# Altium PCB MT-PowerDispatch V1.0.0.PcbDoc (part 3 of 4)
Units mm, origin at the board's own origin, x right, y up, seen from the top; angles counter-clockwise.
Board outline 253.09 x 135 mm, 2 copper layers (Top Layer, Bottom Layer); 539 components, 347 nets, 1633 pads, 620 vias.
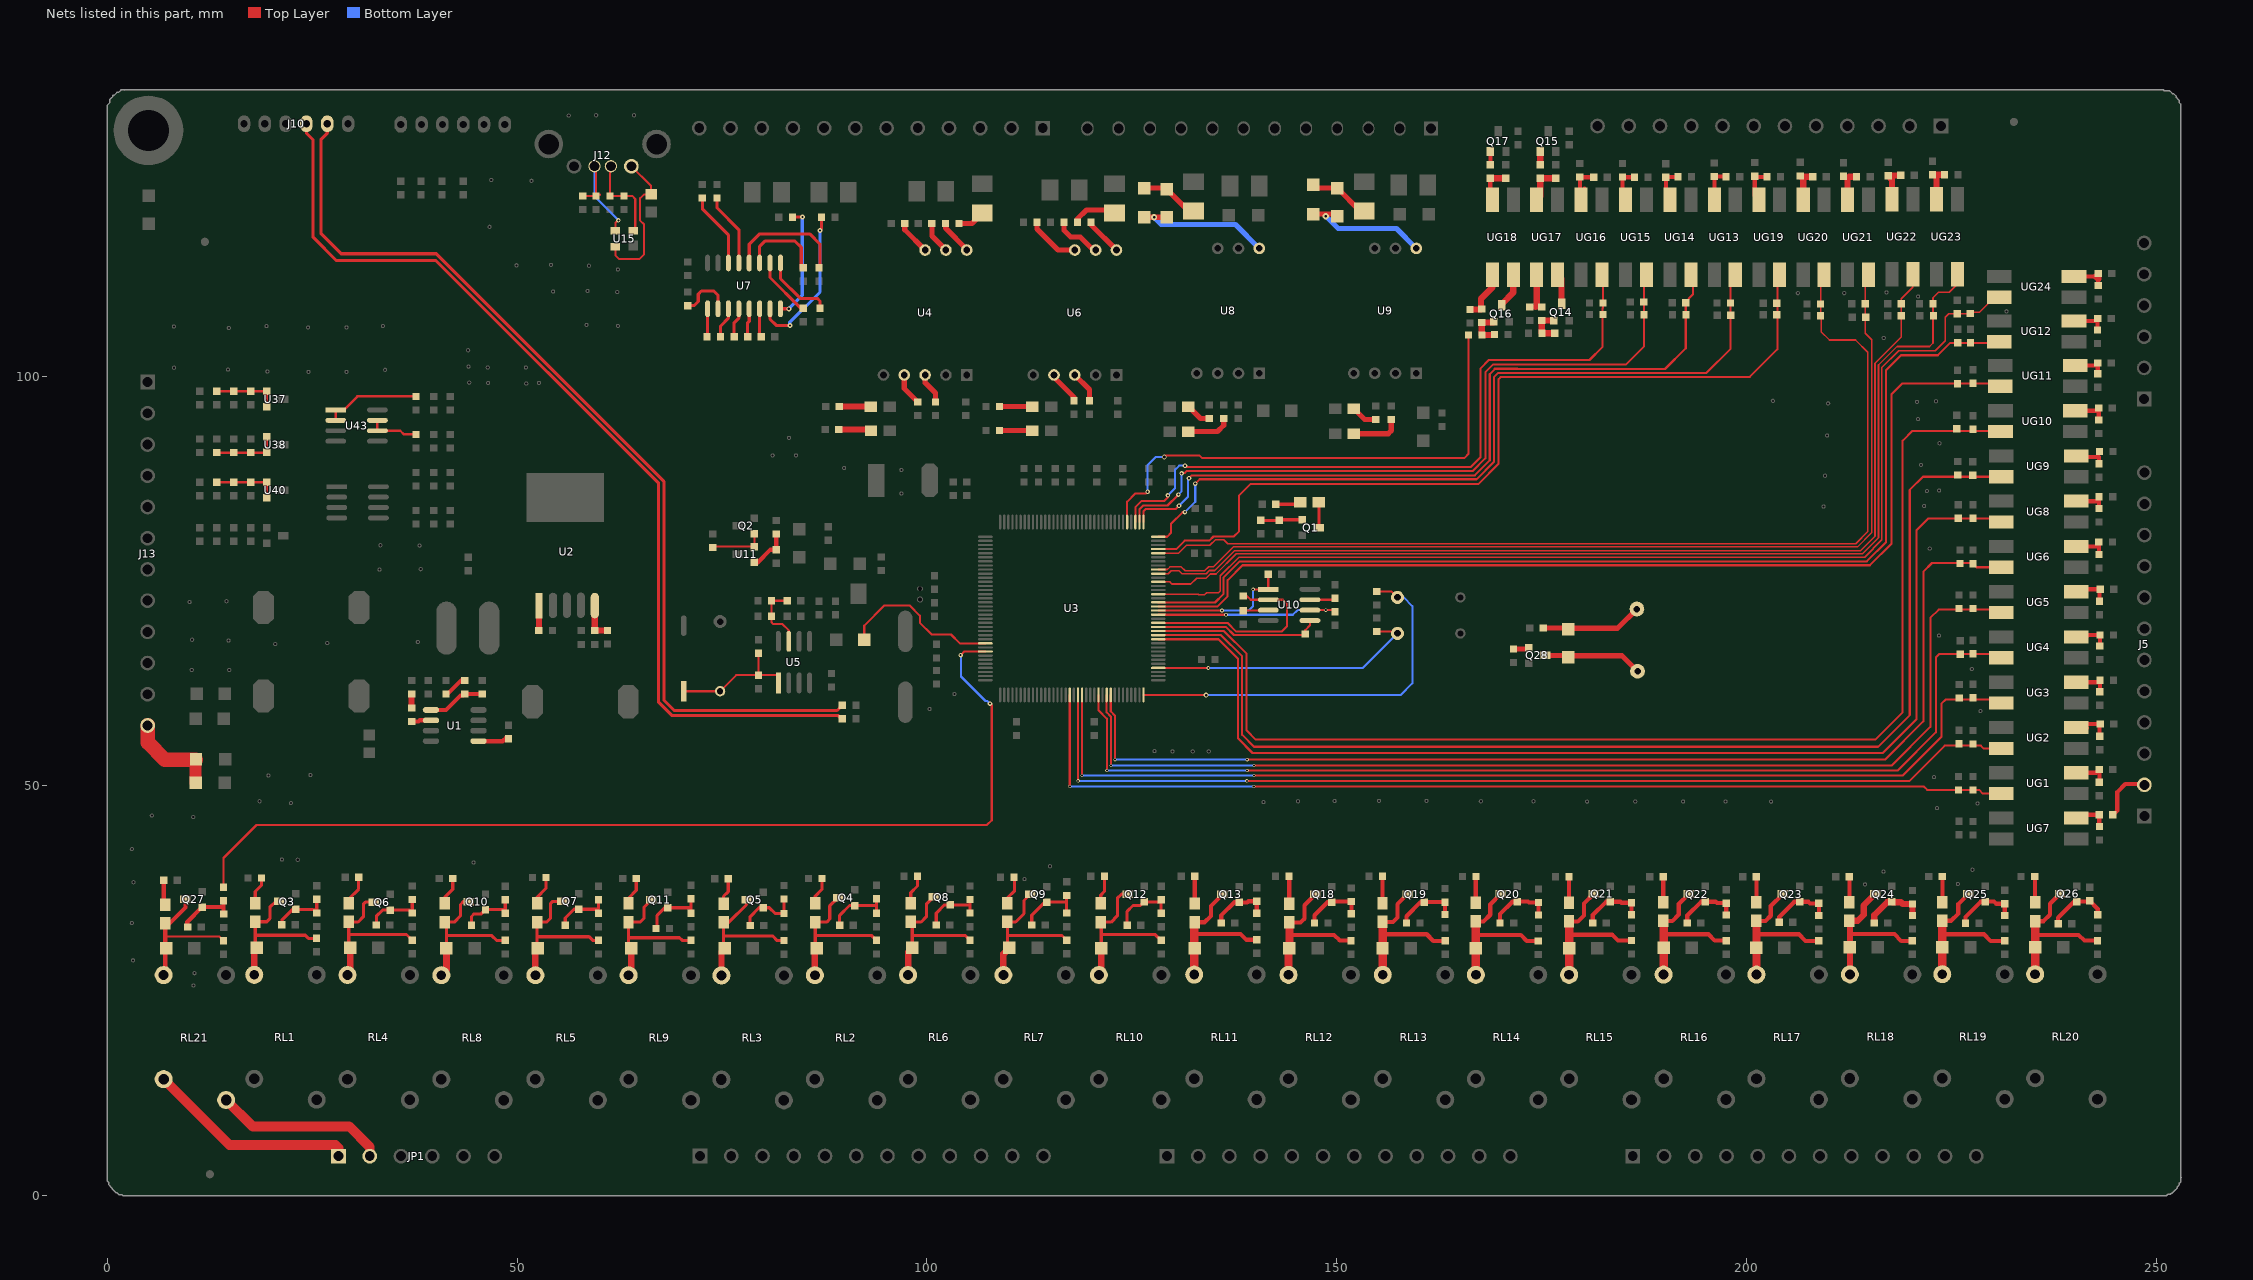
[diagram p3: the nets of this part, all layers, seen from the top]

## Via types
v1: diameter 0.762, hole 0.381, Top Layer to Bottom Layer, 340 vias
v2: diameter 0.762, hole 0.305, Top Layer to Bottom Layer, 95 vias
v3: diameter 0.508, hole 0.254, Top Layer to Bottom Layer, 48 vias
v4: diameter 0.559, hole 0.254, Top Layer to Bottom Layer, 41 vias
v5: diameter 0.406, hole 0.254, Top Layer to Bottom Layer, 24 vias
v6: diameter 0.813, hole 0.381, Top Layer to Bottom Layer, 23 vias
v7: diameter 1.27, hole 0.762, Top Layer to Bottom Layer, 9 vias
v8: diameter 0.457, hole 0.254, Top Layer to Bottom Layer, 9 vias
v9: diameter 0.508, hole 0.305, Top Layer to Bottom Layer, 6 vias
v10: diameter 0.61, hole 0.254, Top Layer to Bottom Layer, 5 vias
v11: diameter 1.016, hole 0.635, Top Layer to Bottom Layer, 3 vias
v12: diameter 0.914, hole 0.406, Top Layer to Bottom Layer, 3 vias
v13: diameter 1.067, hole 0.508, Top Layer to Bottom Layer, 2 vias
v14: diameter 0.61, hole 0.305, Top Layer to Bottom Layer, 2 vias
v15: diameter 1.27, hole 0.711, Top Layer to Bottom Layer, 2 vias
v16: diameter 1.016, hole 0.508, Top Layer to Bottom Layer, 1 vias
v17: diameter 0.559, hole 0.381, Top Layer to Bottom Layer, 1 vias
v18: diameter 0.864, hole 0.381, Top Layer to Bottom Layer, 1 vias
v19: diameter 1.321, hole 0.66, Top Layer to Bottom Layer, 1 vias
v20: diameter 1.397, hole 0.762, Top Layer to Bottom Layer, 1 vias
v21: diameter 1.143, hole 0.635, Top Layer to Bottom Layer, 1 vias
v22: diameter 1.2, hole 0.8, Top Layer to Bottom Layer, 1 vias
v23: diameter 0.92, hole 0.45, Top Layer to Bottom Layer, 1 vias

## Nets (pads, with @x,y where several pads share a name; then routed paths per layer and width w, separated by ;. In a path a pad name is that pad's centre, name@x,y a point inside that pad or via, vN(x,y) a via of type N, cw(c..) or ccw(c..) an arc to the next point about the centre after c; other vN are vias at no path point) (continued)
ERROR_2: R184.2 U3.113 | length 63
  Top Layer w0.254: U3.113@124.434,82.21 124.434,84.708 125.412,85.687 126.708,85.687 v4(126.924,85.903) ; v17(128.956,90.145) 129.159,90.348 133.248,90.348 133.553,90.043 165.608,90.043 166.078,90.513 R184.2@166.078,105.029
  Bottom Layer w0.254: v4@126.898,86.157 126.898,89.103 127.94,90.145 v17(128.956,90.145)
FAN+: JP1.1 RL21.3 | length 25.8
  Top Layer w1.2: RL21.3@6.858,14.224 14.884,6.198 27.813,6.198 28.2,5.811 JP1.1@28.2,4.826
FAN-: JP1.2 RL21.4 | length 21
  Top Layer w1.2: RL21.4@14.478,11.684 17.729,8.433 29.515,8.433 32.01,5.938 JP1.2@32.01,4.826
FAN-SWITCH: R222.1 U3.29 | length 124.3
  Top Layer w0.27: R222.1@14.148,37.63 14.148,41.199 18.186,45.237 107.315,45.237 107.899,45.822 107.899,59.842 v4(107.696,60.046) ; v4(104.115,65.964) 104.561,66.41 U3.29@107.134,66.41
  Bottom Layer w0.27: v4(104.115,65.964) 104.14,65.964 104.165,65.938 104.165,63.348 107.137,60.376 107.366,60.376 v4(107.696,60.046)
FGND: J13.12 L2.1 L3.1 | length 11.6
  Top Layer w1.5: L2.1@10.753,50.367 L3.1@10.753,53.212
  Top Layer w1.8: J13.12@4.902,57.379 4.902,55.321 7.011,53.212 L3.1@10.753,53.212
FRAM_CS: R52.2 U3.90 U10.1 | length 17.5
  Top Layer w0.254: U3.90@128.234,71.41 v8@135.997,71.41 ; v8(139.814,73.997) U10.1@141.661,73.997 ; U10.1@141.649,74.009 R52.2@141.649,75.851
  Bottom Layer w0.254: v8(135.997,71.399) 139.248,71.399 139.814,71.965 v8(139.814,73.997)
FRAM_MISO: R50.2 U3.87 U10.2 | length 24.9
  Top Layer w0.254: U3.87@128.234,69.91 136.674,69.91 137.75,68.834 143.262,68.834 143.947,69.52 143.947,72.219 143.439,72.727 U10.2@141.661,72.727 139.502,72.727 139.058,73.171 R50.2@138.613,73.171
FRAM_MOSI: R49.2 U3.86 U10.5 | length 20.3
  Top Layer w0.254: U3.86@128.234,69.41 136.488,69.41 137.47,68.428 146.043,68.428 R49.2@146.17,68.555 146.17,69.025 146.741,69.596 U10.5@146.741,70.187
FRAM_SCK: R48.2 U3.89 U10.6 | length 23.8
  Top Layer w0.254: U3.89@128.234,70.91 128.252,70.891 v8(136.505,70.891) ; U10.6@146.741,71.457 149.599,71.457 R48.2@149.789,71.266
  Bottom Layer w0.254: v8(136.505,70.891) 144.659,70.891 145.217,71.45 v8(148.672,71.45)
IN1: J5.2 R119.1 | length 6.8
  Top Layer w0.508: R119.1@244.716,46.482 245.262,47.028 245.262,49.276 246.228,50.241 248.463,50.241 J5.2@248.564,50.14
ISP: R15.1 SW2.2 U3.76 | length 33.6
  Top Layer w0.254: U3.76@128.234,64.41 v8(134.342,64.41) ; R15.1@154.889,68.847 157.193,68.847 SW2.2@157.424,68.616
  Bottom Layer w0.254: v8(134.342,64.41) 153.217,64.41 SW2.2@157.424,68.616
MODE1: R59.1 SW4.2 U3.72 | length 47.9
  Top Layer w0.254: U3.72@126.457,61.087 v14(134.067,61.087) ; R59.1@154.889,73.724 156.711,73.724 SW4.2@157.424,73.011
  Bottom Layer w0.254: v14(134.067,61.087) 157.788,61.087 159.236,62.535 159.236,71.955 158.18,73.011 SW4.2@157.424,73.011
NCT-IN1: C62.1 R66.2 U3.54 UG1.4 | length 125.2
  Top Layer w0.254: v5(117.43,49.936) U3.54@117.43,61.106 ; v5(139.883,49.936) 221.64,49.936 222.059,49.517 C62.1@227.66,49.517 228.409,49.517 228.853,49.073 UG1.4@231.085,49.073
  Bottom Layer w0.254: v5(117.43,49.936) v5(139.883,49.936)
NCT-IN2: C64.1 R67.2 U3.56 UG2.4 | length 125
  Top Layer w0.254: v5(118.446,50.622) U3.56@118.446,61.098 ; v5(139.045,50.622) 219.913,50.622 224.206,54.915 228.6,54.915 228.918,54.597 UG2.4@231.085,54.597
  Bottom Layer w0.254: v5(118.446,50.622) v5(139.045,50.622)
NCT-IN3: C81.1 R91.2 U3.57 UG3.4 | length 128.4
  Top Layer w0.254: v5(118.928,51.283) U3.57@118.928,61.105 ; v5(139.909,51.283) 219.1,51.283 223.799,55.982 223.799,60.02 224.333,60.554 230.652,60.554 UG3.4@231.085,60.121
  Bottom Layer w0.254: v5(118.928,51.283) v5(139.909,51.283)
NCT-IN4: C83.1 R92.2 U3.61 UG4.4 | length 130.2
  Top Layer w0.254: U3.61@120.934,61.11 120.934,59.234 121.964,58.204 121.964,51.905 v5(121.951,51.892) ; v5(139.071,51.892) 218.465,51.892 223.114,56.54 223.114,65.672 223.571,66.129 C83.1@227.66,66.129 230.6,66.129 UG4.4@231.085,65.644
  Bottom Layer w0.254: v5(121.951,51.892) v5(139.071,51.892)
NCT-IN5: C98.1 R113.2 U3.63 UG5.4 | length 133.3
  Top Layer w0.254: U3.63@121.934,61.11 121.934,58.996 122.459,58.471 v5(122.459,52.502) ; v5(139.909,52.502) 217.729,52.502 222.453,57.226 222.453,70.51 223.469,71.526 230.727,71.526 UG5.4@231.085,71.168
  Bottom Layer w0.254: v5(122.459,52.502) v5(139.909,52.502)
NCT-IN6: C103.1 R114.2 U3.64 UG6.4 | length 137.1
  Top Layer w0.254: U3.64@122.434,61.11 122.434,59.106 122.942,58.598 v5(122.942,53.213) ; v5(139.071,53.213) 216.916,53.213 221.59,57.887 221.59,76.149 222.656,77.216 227.578,77.216 C103.1@227.66,77.134 228.102,76.692 UG6.4@231.085,76.692
  Bottom Layer w0.254: v5(122.942,53.213) v5(139.071,53.213)
NCT-IN7: C92.1 R120.2 U3.83 UG8.4 | length 139.9
  Top Layer w0.254: U3.83@128.234,67.91 135.575,67.91 137.953,65.532 137.953,55.804 139.731,54.026 216.637,54.026 220.751,58.141 220.751,81.191 222.225,82.664 R120.2@225.837,82.664 C92.1@227.66,82.664 230.636,82.664 UG8.4@231.085,82.216
NCT-IN8: C96.1 R130.2 U3.84 UG9.4 | length 143.9
  Top Layer w0.254: U3.84@128.234,68.41 135.888,68.41 138.461,65.837 138.461,56.236 139.909,54.788 216.078,54.788 219.939,58.649 219.939,86.131 221.546,87.739 UG9.4@231.085,87.739
NCT-IN9: C72.1 R87.2 U3.85 UG10.4 | length 148.8
  Top Layer w0.254: U3.85@128.234,68.91 136.226,68.91 139.02,66.116 139.02,56.769 140.137,55.651 215.722,55.651 219.075,59.004 219.075,92.151 220.243,93.32 230.94,93.32 UG10.4@231.009,93.251
NCT-IN10: C100.1 R104.2 U3.91 UG11.4 | length 126
  Top Layer w0.254: U3.91@128.234,71.91 135.466,71.91 136.696,73.139 136.696,75.12 138.512,76.937 215.062,76.937 217.703,79.578 217.703,97.79 219.024,99.111 230.651,99.111 UG11.4@230.983,98.779
NCT-IN11: C102.1 R76.2 U3.92 UG12.4 | length 129.2
  Top Layer w0.254: U3.92@128.234,72.41 128.254,72.39 135.159,72.39 136.175,73.406 136.175,75.413 138.182,77.419 214.706,77.419 217.043,79.756 217.043,100.736 218.872,102.565 223.368,102.565 224.879,104.076 R76.2@225.781,104.076 C102.1@227.355,104.076 230.703,104.076 UG12.4@230.831,104.205
NCT-IN12: C87.1 R86.2 U3.108 UG13.4 | length 96.6
  Top Layer w0.254: U3.108@128.234,80.41 129.305,80.41 129.769,80.874 129.769,81.966 131.216,83.414 v4(131.47,83.414) ; v4(132.74,86.893) 133.274,87.427 167.081,87.427 169.189,89.535 169.189,99.898 169.697,100.406 195.135,100.406 198.082,103.353 R86.2@198.082,107.442 198.082,111.856 UG13.4@198.636,112.41
  Bottom Layer w0.254: v4(131.47,83.414) 132.74,84.684 v4(132.74,86.893)
NCT-IN13: C115.1 R148.2 U3.109 UG14.4 | length 92.7
  Top Layer w0.254: U3.109@126.434,82.21 126.434,83.533 126.695,83.795 130.353,83.795 v4(130.759,84.201) ; v4(131.978,87.554) 132.334,87.909 166.853,87.909 168.681,89.738 168.681,100.254 169.291,100.863 169.291,100.914 172.034,100.914 172.06,100.889 190.068,100.889 192.595,103.416 C115.1@192.595,108.966 ; C115.1@192.469,108.966 193.472,109.969 193.472,112.156 UG14.4@193.217,112.41
  Bottom Layer w0.254: v4(130.759,84.201) 131.851,85.293 131.851,87.427 v4(131.978,87.554)
NCT-IN14: C117.1 R150.2 U3.110 UG15.4 | length 87.7
  Top Layer w0.254: U3.110@125.934,82.21 125.934,83.77 126.39,84.226 129.362,84.226 130.632,85.496 130.632,85.547 v4(130.683,85.547) ; v4(131.089,88.138) 131.166,88.214 131.47,88.214 131.674,88.417 166.573,88.417 168.148,89.992 168.148,100.508 169.062,101.422 185.268,101.422 187.516,103.67 R150.2@187.516,107.518 187.516,112.127 UG15.4@187.799,112.41
  Bottom Layer w0.254: v4(130.683,85.547) 131.089,85.954 v4(131.089,88.138)
NCT-IN15: C119.1 R151.2 U3.111 UG16.4 | length 83.8
  Top Layer w0.254: U3.111@125.434,82.21 125.434,84.032 126.162,84.76 128.93,84.76 129.438,85.268 129.413,85.293 v4(129.413,85.471) ; v4(131.496,89.078) 131.648,88.925 166.345,88.925 167.564,90.145 167.564,100.965 168.58,101.981 180.848,101.981 182.423,103.556 182.423,108.293 182.512,108.382 C119.1@182.512,108.941 182.512,112.278 UG16.4@182.38,112.41
  Bottom Layer w0.254: v4(129.413,85.471) 130.277,86.335 130.277,88.595 130.772,89.09 131.483,89.09 v4(131.496,89.078)
NCT-IN16: C133.1 R189.2 U3.105 UG19.4 | length 103.5
  Top Layer w0.254: U3.105@128.234,78.91 130.421,78.91 131.445,79.934 134.468,79.934 134.974,80.44 137.438,80.44 138.1,81.102 138.1,85.471 139.471,86.843 167.259,86.843 169.774,89.357 169.774,99.644 170.053,99.924 200.419,99.924 203.772,103.276 203.772,112.127 UG19.4@204.055,112.41
NCT-IN17: C135.1 R191.2 U3.104 UG20.4 | length 123.8
  Top Layer w0.2: U3.104@128.234,78.41 130.709,78.41 131.674,79.375 134.518,79.375 135.204,80.061 136.22,80.061 136.703,79.578 213.335,79.578 214.811,81.055 214.811,102.921 213.312,104.419 210.134,104.419 209.144,105.41 209.144,107.302 R191.2@209.055,107.391 C135.1@209.055,108.814 209.055,111.991 UG20.4@209.474,112.41
NCT-IN18: C137.1 R193.2 U3.100 UG21.4 | length 121.3
  Top Layer w0.2: U3.100@128.234,76.41 129.344,76.41 129.667,76.733 131.039,76.733 131.51,76.262 133.87,76.262 134.379,76.772 134.963,76.772 137.363,79.172 213.563,79.172 215.316,80.924 215.316,104.445 214.516,105.245 C137.1@214.516,108.839 214.516,112.033 UG21.4@214.893,112.41
NCT-IN19: C152.1 R225.2 U3.97 UG23.4 | length 129.6
  Top Layer w0.2: U3.97@128.234,74.91 129.627,74.91 129.886,74.651 132.203,74.651 132.918,75.366 134.056,75.366 134.56,75.87 135.28,75.87 137.744,78.334 214.173,78.334 216.129,80.289 216.129,101.371 218.389,103.632 222.352,103.632 222.771,104.051 R225.2@222.771,107.366 ; R225.2@222.821,107.366 R225.2@222.771,107.366 ; UG23.4@225.748,112.461 225.748,111.244 224.739,110.236 223.444,110.236 222.771,109.563 C152.1@222.771,108.864 R225.2@222.771,107.366
NCT-IN20: C153.1 R227.2 U3.94 UG24.4 | length 132.8
  Top Layer w0.2: U3.94@128.234,73.41 128.26,73.384 133.093,73.384 133.147,73.33 133.883,73.33 134.137,73.584 135.585,73.584 135.796,73.794 135.796,75.641 138.082,77.927 214.427,77.927 216.535,80.035 216.535,101.067 218.592,103.124 223.063,103.124 224.257,104.318 224.257,107.213 224.676,107.632 R227.2@225.73,107.632 227.279,107.632 C153.1@227.305,107.658 227.445,107.799 228.449,107.799 230.284,109.634 UG24.4@230.831,109.634
NCT-IN21: C139.1 R195.2 U3.99 UG22.4 | length 123.5
  Top Layer w0.2: U3.99@128.234,75.91 129.453,75.91 129.819,76.276 130.749,76.276 131.115,75.91 134.085,75.91 134.468,76.293 135.119,76.293 137.541,78.715 213.919,78.715 215.697,80.493 215.697,101.575 218.91,104.788 R195.2@218.91,107.366 C139.1@218.91,108.864 218.91,109.461 220.312,110.863 UG22.4@220.312,112.461
NetC17_2: C17.2 U1.1 | length 3.6
  Top Layer w0.508: U1.1@45.243,55.455 48.228,55.455 C17.2@48.672,55.899
NetC21_1: C21.1 U1.6 | length 2.6
  Top Layer w0.254: C21.1@37.115,57.868 C21.1@37.242,57.995
  Top Layer w0.508: C21.1@37.115,57.868 37.122,57.861 37.953,57.861 38.106,58.014 U1.6@39.473,58.014
NetC21_2: C21.2 R7.1 | length 1.7
  Top Layer w0.762: C21.2@37.115,59.519 R7.1@37.115,61.233
NetC24_2: C24.2 R18.1 SW1.1 SW3.1 U5.1 | length 15.8
  Top Layer w0.254: SW3.1@70.313,61.56 74.75,61.56 SW1.1@74.758,61.568 76.717,63.528 C24.2@79.457,63.528 ; R18.1@79.457,66.195 C24.2@79.457,63.528 ; U5.1@81.87,62.575 81.87,63.278 81.62,63.528 C24.2@79.457,63.528
NetC27_2: C27.2 R20.2 R27.1 U5.7 | length 8.4
  Top Layer w0.254: R27.1@82.949,72.608 C27.2@81.044,72.608 R20.2@81.044,70.703 81.044,69.945 81.235,69.755 82.378,69.755 83.14,68.993 U5.7@83.14,67.655
NetC30_1: C30.1 R36.1 TVS5.1 | length 7.2
  Top Layer w0.635: R36.1@126.51,122.968 129.114,122.968 C30.1@129.241,122.841 131.91,120.172 TVS5.1@132.536,120.172
NetC30_2: C30.2 R36.2 U8.8 | length 17.2
  Top Layer w0.635: R36.2@126.51,119.412 v2(127.717,119.412) C30.2@129.241,119.412
  Bottom Layer w0.635: v2(127.717,119.412) 128.606,118.523 137.64,118.523 U8.8@140.561,115.602
NetC31_1: C31.1 U7.3 | length 3.8
  Top Layer w0.381: C31.1@74.821,104.807 74.821,106.14 75.774,107.093 U7.3@75.774,108.236
NetC31_2: C31.2 U7.1 | length 3.5
  Top Layer w0.381: C31.2@73.17,104.807 73.234,104.87 U7.1@73.234,108.236
NetC32_1: C32.1 U7.2 | length 6.8
  Top Layer w0.381: C32.1@70.821,108.617 71.583,108.617 72.091,109.125 72.091,110.014 72.472,110.395 73.996,110.395 74.504,109.887 U7.2@74.504,108.236
NetC36_1: C36.1 U7.5 | length 3.5
  Top Layer w0.381: C36.1@78.123,104.807 78.123,106.521 78.314,106.712 U7.5@78.314,108.236
NetC36_2: C36.2 U7.4 | length 3.7
  Top Layer w0.381: C36.2@76.472,104.807 76.472,106.521 77.044,107.093 U7.4@77.044,108.236
NetC37_2: C37.2 U7.6 | length 3.5
  Top Layer w0.381: U7.6@79.584,108.236 79.584,104.997 C37.2@79.774,104.807
NetC38_1: C38.1 R46.1 U9.8 | length 15.7
  Top Layer w0.635: R46.1@147.148,119.793 149.815,119.793 C38.1@150.069,119.539
  Bottom Layer w0.635: v2(148.672,119.539) 150.196,118.015 157.308,118.015 U9.8@159.721,115.602
NetC38_2: C38.2 R46.2 TVS10.1 | length 7.5
  Top Layer w0.635: R46.2@147.148,123.349 147.529,122.968 C38.2@150.069,122.968 152.867,120.17 TVS10.1@153.358,120.17
NetC49_2: C49.2 D12.1 LED2.2 Q3.2 RL1.1 | length 18.9
  Top Layer w0.381: D12.1@17.913,29.94 18.04,30.067 18.04,31.782 ; Q3.2@20.952,35.91 20.516,35.91 19.818,35.211 19.818,33.814 19.434,33.431 LED2.2@18.04,33.431 18.04,31.782 ; C49.2@25.507,31.407 24.51,31.407 24.136,31.782 18.04,31.782
  Top Layer w0.8: RL1.1@17.913,26.956 D12.1@17.913,29.94
NetC50_2: C50.2 D13.1 LED3.2 Q4.2 RL2.1 | length 19.2
  Top Layer w0.381: D13.1@86.323,30.165 86.366,30.207 86.366,31.731 ; Q4.2@89.16,36.379 88.144,35.363 88.144,33.763 87.76,33.38 LED3.2@86.366,33.38 86.366,31.731 ; C50.2@93.859,31.16 93.287,31.731 86.366,31.731
  Top Layer w0.8: RL2.1@86.323,26.905 D13.1@86.323,30.165
NetC51_1: C51.1 D14.1 LED4.2 Q5.2 RL3.1 | length 18.6
  Top Layer w0.381: D14.1@75.317,30.182 75.181,30.317 75.181,31.706 ; Q5.2@77.984,36.1 77.984,35.516 75.822,33.355 LED4.2@75.181,33.355 75.181,31.706 ; C51.1@82.556,31.134 81.73,31.134 81.159,31.706 75.181,31.706
  Top Layer w0.762: RL3.1@74.921,26.88 74.921,29.787 D14.1@75.317,30.182
NetC52_1: C52.1 D15.1 LED5.2 Q6.2 RL4.1 | length 19.7
  Top Layer w0.381: D15.1@29.635,30.233 29.444,30.423 29.444,31.757 ; Q6.2@32.492,35.821 31.476,35.821 31.222,35.567 31.222,34.043 30.585,33.405 LED5.2@29.444,33.405 29.444,31.757 ; C52.1@37.191,31.185 36.493,31.884 29.571,31.884 29.444,31.757
  Top Layer w0.8: RL4.1@29.289,26.931 29.635,27.276 D15.1@29.635,30.233
NetC53_1: C53.1 Q13.1 R68.2 R75.2 | length 7.4
  Top Layer w0.508: R75.2@135.908,33.274 135.908,34.176 137.545,35.812 Q13.1@138.086,35.812 138.135,35.763 139.096,35.763 139.261,35.928 R68.2@140.239,35.928 C53.1@140.239,34.48
NetC54_2: C54.2 Q18.1 R70.2 R74.2 | length 7.6
  Top Layer w0.508: R74.2@147.288,33.274 147.288,34.227 148.873,35.812 Q18.1@149.415,35.812 149.506,35.903 R70.2@151.771,35.903 ; C54.2@151.796,34.404 R70.2@151.796,35.877
NetC55_2: C55.2 Q19.1 R69.2 R134.2 | length 7.7
  Top Layer w0.508: R134.2@158.514,33.274 158.514,34.099 160.252,35.837 Q19.1@160.692,35.837 ; Q19.1@160.703,35.827 R69.2@163.226,35.827 C55.2@163.226,34.328
NetC58_2: C58.2 D29.1 LED19.2 Q24.2 RL18.1 | length 19.5
  Top Layer w0.508: 212.629,31.928 218.065,31.928 218.89,31.102 C58.2@220.249,31.102
  Top Layer w0.762: LED19.2@212.57,33.551 213.592,33.551 214.331,34.29 214.331,35.425 Q24.2@215.734,36.828 ; RL18.1@212.629,27.007 212.629,31.775 ; 212.629,31.928 LED19.2@212.629,33.492
NetC59_2: C59.2 D26.1 LED16.2 Q21.2 RL15.1 | length 19.7
  Top Layer w0.508: LED16.2@178.356,33.475 179.429,33.475 180.168,34.214 180.168,35.653 Q21.2@181.368,36.853 ; 178.364,31.852 183.622,31.852 184.321,31.153 C59.2@185.984,31.153
  Top Layer w1.016: RL15.1@178.364,26.956 178.364,31.852 LED16.2@178.364,33.466
NetC60_1: C60.1 D31.1 LED21.2 Q26.2 RL20.1 | length 19.6
  Top Layer w0.508: LED21.2@235.226,33.5 236.249,33.5 237.038,34.29 237.038,35.628 Q26.2@238.264,36.853 ; 235.235,31.826 240.544,31.826 241.242,31.128 C60.1@242.855,31.128
  Top Layer w1.016: RL20.1@235.235,27.032 235.235,31.826 LED21.2@235.235,33.492
NetC61_2: C61.2 R71.2 UG1.2 | length 4.5
  Top Layer w0.508: UG1.2@240.229,51.613 242.66,51.613 243.103,52.057 C61.2@243.103,50.609
NetC63_2: C63.2 R72.2 UG2.2 | length 6
  Top Layer w0.508: UG2.2@240.127,57.081 UG2.2@241.567,57.081 ; UG2.2@240.229,57.137 240.648,57.556 R72.2@243.192,57.556 ; C63.2@243.103,56.07 R72.2@243.103,57.468
NetC65_1: C65.1 Q3.1 R77.2 R83.2 | length 7.2
  Top Layer w0.381: R83.2@21.278,33.052 21.278,33.623 22.599,34.944 Q3.1@22.984,34.944 25.101,34.944 C65.1@25.533,34.512 R77.2@25.533,36.163
NetC66_2: C66.2 Q6.1 R80.2 R84.2 | length 7.6
  Top Layer w0.381: R84.2@32.81,33.027 32.81,34.106 33.559,34.855 Q6.1@34.524,34.855 36.823,34.855 C66.2@37.191,34.487 R80.2@37.191,36.138
NetC67_1: C67.1 Q4.1 R79.2 R85.2 | length 8
  Top Layer w0.381: R85.2@89.35,33.001 89.35,34.208 90.557,35.414 Q4.1@91.192,35.414 93.859,35.414 ; C67.1@93.859,34.462 93.859,35.414 ; R79.2@93.859,36.24 93.859,35.414
NetC68_2: C68.2 Q5.1 R78.2 R82.2 | length 7.7
  Top Layer w0.381: R82.2@78.428,32.976 78.428,34.055 79.508,35.135 Q5.1@80.016,35.135 80.778,35.135 81.476,34.436 C68.2@82.556,34.436 R78.2@82.556,36.214
NetC70_2: C70.2 Q22.1 R97.2 R146.2 | length 7.9
  Top Layer w0.508: R97.2@192.779,33.274 192.779,34.201 194.441,35.863 Q22.1@195.008,35.863 196.269,35.863 196.432,35.7 R146.2@197.541,35.7 C70.2@197.541,34.252
NetC71_1: C71.1 R128.2 UG10.2 | length 4.4
  Top Layer w0.508: UG10.2@240.153,95.791 242.666,95.791 R128.2@242.989,96.114 243.002,96.101 C71.1@243.002,94.653
NetC75_2: C75.2 Q20.1 R133.2 R136.2 | length 8
  Top Layer w0.508: R136.2@169.944,33.274 169.944,34.379 171.428,35.863 Q20.1@172.046,35.863 172.099,35.916 173.335,35.916 173.475,35.776 R133.2@174.631,35.776 C75.2@174.631,34.252
NetC76_1: C76.1 R103.2 UG11.2 | length 4.2
  Top Layer w0.508: UG11.2@240.127,101.319 242.581,101.319 R103.2@242.875,101.613 ; C76.1@242.875,100.292 R103.2@242.875,101.613 ; R103.2@242.887,101.625 R103.2@242.875,101.613
NetC77_1: C77.1 R129.2 UG8.2 | length 5.6
  Top Layer w0.508: UG8.2@239.772,84.666 UG8.2@241.567,84.666 ; UG8.2@240.229,84.756 242.972,84.756 243.027,84.811 C77.1@243.027,83.858
NetC79_2: C79.2 D17.1 LED6.2 Q7.2 RL5.1 | length 19.4
  Top Layer w0.381: D17.1@52.22,29.932 52.431,30.144 52.431,31.604 ; Q7.2@55.479,35.922 54.336,35.922 54.082,35.668 54.082,33.89 53.572,33.38 LED6.2@52.431,33.38 52.431,31.604 ; C79.2@59.924,31.16 59.226,31.16 58.781,31.604 52.431,31.604
  Top Layer w0.8: RL5.1@52.22,26.905 D17.1@52.22,29.932
NetC80_2: C80.2 R89.2 UG3.2 | length 5.8
  Top Layer w0.508: UG3.2@240.051,62.72 UG3.2@241.415,62.72 ; UG3.2@240.229,62.661 242.887,62.661 R89.2@243.141,62.916 C80.2@243.141,61.544
NetC82_2: C82.2 R90.2 UG4.2 | length 5.5
  Top Layer w0.508: UG4.2@240.026,68.156 UG4.2@241.516,68.156 ; UG4.2@240.513,68.232 240.708,68.428 R90.2@243.141,68.428 C82.2@243.141,67.132
NetC84_1: C84.1 D18.1 LED7.2 Q8.2 RL6.1 | length 19
  Top Layer w0.381: D18.1@98.215,30.233 98.215,31.757 ; Q8.2@100.818,36.456 99.929,35.567 99.929,34.043 99.292,33.405 LED7.2@98.024,33.405 98.215,33.215 98.215,31.757 ; C84.1@105.263,31.185 104.692,31.757 98.215,31.757
  Top Layer w0.8: RL6.1@97.7,26.931 97.7,29.718 D18.1@98.215,30.233
NetC85_1: C85.1 D19.1 LED8.2 Q9.2 RL7.1 | length 19.5
  Top Layer w0.381: D19.1@110.064,30.233 109.81,30.487 109.81,31.757 ; Q9.2@112.604,36.786 111.842,36.024 111.842,34.424 110.824,33.405 LED8.2@109.81,33.405 109.81,31.757 ; C85.1@117.049,31.185 116.477,31.757 109.81,31.757
  Top Layer w0.8: RL7.1@109.33,26.931 109.33,29.499 D19.1@110.064,30.233
NetC86_1: C86.1 D20.1 LED9.2 Q10.2 RL8.1 | length 19
  Top Layer w0.381: D20.1@41.37,30.207 41.37,31.731 ; Q10.2@44.1,35.871 43.414,35.871 43.084,35.541 43.084,34.144 42.32,33.38 LED9.2@41.179,33.38 41.37,33.189 41.37,31.731 ; C86.1@48.545,31.16 47.466,31.16 46.894,31.731 41.37,31.731
  Top Layer w0.8: RL8.1@40.742,26.905 41.37,27.533 D20.1@41.37,30.207
NetC88_1: C88.1 Q7.1 R98.2 R107.2 | length 6.5
  Top Layer w0.381: R107.2@55.86,33.001 55.86,33.89 56.927,34.957 Q7.1@57.511,34.957 59.848,34.957 59.924,35.033 R98.2@59.924,36.113
NetC89_2: C89.2 Q9.1 R100.2 R108.2 | length 8.3
  Top Layer w0.381: R108.2@112.794,33.027 112.794,34.233 114.382,35.821 Q9.1@114.636,35.821 117.049,35.821 ; C89.2@117.049,34.487 117.049,35.821 ; R100.2@117.049,36.646 117.049,35.821
NetC90_2: C90.2 Q8.1 R99.2 R106.2 | length 7.7
  Top Layer w0.381: R106.2@101.136,33.027 101.136,34.487 102.139,35.49 Q8.1@102.85,35.49 105.212,35.49 105.263,35.44 ; C90.2@105.263,34.487 105.263,35.44 ; R99.2@105.263,36.138 105.263,35.44
NetC91_2: C91.2 Q10.1 R102.2 R111.2 | length 6.8
  Top Layer w0.381: R111.2@44.418,33.001 44.418,34.081 44.735,34.398 45.624,34.398 Q10.1@46.132,34.906 48.545,34.906 R102.2@48.545,36.113
NetC93_2: C93.2 D23.1 LED12.2 Q13.2 RL11.1 | length 19.7
  Top Layer w0.508: 132.619,31.953 138.283,31.953 139.007,31.229 C93.2@140.239,31.229 ; LED12.2@132.687,33.373 133.887,33.373 134.651,34.138 134.651,35.374 Q13.2@136.054,36.777
  Top Layer w1.016: RL11.1@132.619,26.981 132.619,31.953 LED12.2@132.619,33.306
NetC94_1: C94.1 R127.2 UG9.2 | length 5.3
  Top Layer w0.508: UG9.2@239.772,90.279 UG9.2@241.415,90.279 ; UG9.2@240.229,90.279 240.363,90.145 243.027,90.145 C94.1@243.027,89.319
NetC95_1: C95.1 D16.1 LED13.2 Q18.2 RL12.1 | length 19.5
  Top Layer w0.508: LED13.2@144.218,33.348 145.596,33.348 146.056,33.807 146.056,35.45 Q18.2@147.383,36.777 ; 144.29,31.826 149.688,31.826 150.386,31.128 C95.1@151.745,31.128
  Top Layer w1.016: RL12.1@144.125,26.956 D16.1@144.125,30.086 ; D16.1@144.24,30.201 LED13.2@144.24,33.327
NetC97_1: C97.1 R117.2 UG5.2 | length 4.6
  Top Layer w0.508: UG5.2@240.229,73.708 240.536,74.016 R117.2@243.167,74.016 243.078,73.927 C97.1@243.078,72.555
NetC99_1: C99.1 R118.2 UG6.2 | length 5.5
  Top Layer w0.508: UG6.2@239.848,79.281 UG6.2@241.593,79.281 ; UG6.2@240.229,79.232 242.96,79.232 243.027,79.299 C99.1@243.027,78.397
NetC101_1: C101.1 R105.2 UG12.2 | length 3.8
  Top Layer w0.508: UG12.2@239.975,106.745 242.645,106.745 242.862,106.528 C101.1@242.862,105.664
NetC104_1: C104.1 R119.2 UG7.2 | length 4.4
  Top Layer w0.508: UG7.2@240.229,46.09 240.621,46.482 R119.2@243.065,46.482 243.065,45.06 C104.1@243.078,45.047
NetC106_1: C106.1 D21.1 LED10.2 Q11.2 RL9.1 | length 19.2
  Top Layer w0.381: D21.1@63.899,30.207 63.582,30.525 63.582,31.35 ; Q11.2@66.367,36.113 65.487,35.233 65.487,33.89 64.979,33.382 LED10.2@63.582,33.382 63.582,31.35 ; C106.1@71.202,31.16 70.122,31.16 69.805,31.477 63.709,31.477 63.582,31.35
  Top Layer w0.8: RL9.1@63.596,26.905 63.899,27.209 D21.1@63.899,30.207
NetC107_1: C107.1 D22.1 LED11.2 Q12.2 RL10.1 | length 20.2
  Top Layer w0.381: D22.1@121.278,30.207 121.278,31.858 ; Q12.2@124.516,36.811 123.754,36.811 123.246,36.303 123.246,34.144 122.482,33.38 LED11.2@121.214,33.38 121.278,33.316 121.278,31.858 ; C107.1@128.58,31.16 127.882,31.858 121.278,31.858
  Top Layer w0.762: RL10.1@120.96,26.905 121.278,27.223 D22.1@121.278,30.207
NetC108_2: C108.2 Q11.1 R123.2 R125.2 | length 7.5
  Top Layer w0.381: R125.2@67.074,33.001 67.074,34.208 68.014,35.148 Q11.1@68.399,35.148 71.189,35.148 71.202,35.16 ; C108.2@71.202,34.462 71.202,35.16 ; R123.2@71.202,36.24 71.202,35.16
NetC109_2: C109.2 Q12.1 R124.2 R126.2 | length 8.1
  Top Layer w0.381: R126.2@124.43,33.001 124.43,34.693 125.151,35.414 126.04,35.414 126.472,35.846 Q12.1@126.548,35.846 128.314,35.846 R124.2@128.58,36.113 C109.2@128.58,34.462
NetC110_1: C110.1 R176.2 UG17.1 | length 4
  Top Layer w0.762: 174.269,108.445 174.41,108.585 UG17.1@174.41,112.41
NetC110_2: C110.2 Q14.1 R177.1 R178.2 | length 4.6
  Top Layer w0.762: Q14.1@176.483,106.801 176.476,106.794 C110.2@175.037,106.794 175.037,105.27 R177.1@175.05,105.258 R178.2@176.625,105.258
NetC111_1: C111.1 R182.2 UG18.1 | length 6.2
  Top Layer w0.762: R182.2@166.268,108.14 167.615,108.14 167.615,109.449 169.019,110.853 UG18.1@169.019,112.405
NetC111_2: C111.2 Q16.1 R184.1 R185.2 | length 4.5
  Top Layer w0.762: Q16.1@169.162,106.623 169.105,106.566 C111.2@167.691,106.566 167.691,105.067 R184.1@167.729,105.029 R185.2@169.177,105.029
NetC114_1: C114.1 R152.2 UG14.2 | length 4.5
  Top Layer w0.508: UG14.2@190.677,121.554 190.17,122.062 R152.2@190.17,124.295 190.208,124.333 C114.1@191.661,124.333
NetC116_1: C116.1 R153.2 UG15.2 | length 4.4
  Top Layer w0.508: UG15.2@185.259,121.554 184.887,121.926 R153.2@184.887,124.32 184.925,124.282 C116.1@186.347,124.282
NetC118_1: C118.1 R154.2 UG16.2 | length 5.9
  Top Layer w0.508: UG16.2@179.84,121.554 179.68,121.714 R154.2@179.68,124.32 179.718,124.282 C118.1@181.369,124.282 ; UG16.2@180.243,121.554 UG16.2@180.243,122.886
NetC121_1: C121.1 R142.2 UG13.2 | length 4.3
  Top Layer w0.508: UG13.2@196.096,121.554 196.088,121.563 R142.2@196.088,124.371 196.101,124.358 C121.1@197.523,124.358
NetC122_1: C122.1 Q24.1 R156.2 R157.2 | length 7.8
  Top Layer w0.762: R157.2@215.614,33.274 215.614,34.252 217.224,35.863 Q24.1@217.766,35.863 217.815,35.814 218.877,35.814 219.093,35.598 R156.2@220.274,35.598 C122.1@220.274,34.201
NetC123_2: C123.2 Q23.1 R73.2 R149.2 | length 7.8
  Top Layer w0.508: R73.2@204.006,33.376 204.006,34.023 205.845,35.863 Q23.1@206.489,35.863 207.572,35.863 207.761,35.674 R149.2@208.844,35.674 C123.2@208.844,34.201
NetC124_1: C124.1 D28.1 LED18.2 Q23.2 RL17.1 | length 19.8
  Top Layer w0.508: LED18.2@201.216,33.526 202.34,33.526 202.977,34.163 202.977,35.348 Q23.2@204.457,36.828 ; 201.224,31.902 206.406,31.902 207.206,31.102 C124.1@208.844,31.102
  Top Layer w1.016: RL17.1@201.224,26.981 201.224,31.902 LED18.2@201.224,33.517
NetC125_1: C125.1 D27.1 LED17.2 Q22.2 RL16.1 | length 19.7
  Top Layer w0.508: LED17.2@189.862,33.526 190.961,33.526 191.75,34.315 191.75,35.602 Q22.2@192.976,36.828 ; 189.896,31.902 195.357,31.902 196.132,31.128 C125.1@197.541,31.128
  Top Layer w1.016: RL16.1@189.896,26.981 189.896,31.902 LED17.2@189.896,33.492
NetC126_1: C126.1 Q21.1 R144.2 R145.2 | length 7.9
  Top Layer w0.508: R145.2@181.247,33.274 181.247,34.252 182.86,35.865 184.638,35.865 184.753,35.75 R144.2@185.984,35.75 C126.1@185.984,34.277
NetC127_1: C127.1 D25.1 LED15.2 Q20.2 RL14.1 | length 19.6
  Top Layer w0.508: LED15.2@166.977,33.475 167.923,33.475 168.738,34.29 168.738,35.552 Q20.2@170.014,36.828 ; 166.985,31.801 172.472,31.801 173.196,31.077 C127.1@174.605,31.077
  Top Layer w1.016: RL14.1@166.985,26.956 166.985,31.801 LED15.2@166.985,33.466
NetC128_1: C128.1 D24.1 LED14.2 Q19.2 RL13.1 | length 19.7
  Top Layer w0.508: LED14.2@155.631,33.39 156.865,33.39 157.435,33.96 157.435,35.577 Q19.2@158.66,36.803 ; 155.733,31.902 160.991,31.902 161.791,31.102 C128.1@163.251,31.102
  Top Layer w1.016: RL13.1@155.631,26.956 LED14.2@155.631,33.39
NetC129_2: C129.2 Q26.1 R162.2 R163.2 | length 7.6
  Top Layer w0.508: R163.2@238.042,33.198 238.042,33.922 240.008,35.888 Q26.1@240.296,35.888 241.768,35.888 R162.2@241.884,36.005 242.88,35.008 C129.2@242.88,34.277
NetC130_2: C130.2 Q25.1 R159.2 R160.2 | length 7.9
  Top Layer w0.508: R160.2@226.739,33.249 226.739,34.023 228.578,35.863 Q25.1@229.12,35.863 229.147,35.89 230.231,35.89 230.498,35.623 R159.2@231.527,35.623 C130.2@231.527,34.201
NetC131_1: C131.1 D30.1 LED20.2 Q25.2 RL19.1 | length 19.6
  Top Layer w0.508: LED20.2@223.923,33.551 224.971,33.551 225.862,34.442 225.862,35.602 Q25.2@227.088,36.828 ; 223.983,31.902 229.012,31.902 229.812,31.102 C131.1@231.527,31.102
  Top Layer w1.016: RL19.1@223.907,27.032 LED20.2@223.907,33.534
NetC132_1: C132.1 R188.2 UG19.2 | length 4.6
  Top Layer w0.5: UG19.2@201.515,121.554 201.016,122.054 R188.2@201.016,124.422 201.105,124.333 C132.1@202.501,124.333
NetC134_1: C134.1 R190.2 UG20.2 | length 4.3
  Top Layer w0.762: UG20.2@206.934,121.554 206.934,124.091 206.667,124.358 C134.1@208.089,124.358
NetC136_1: C136.1 R192.2 UG21.2 | length 3.8
  Top Layer w0.762: UG21.2@212.353,121.554 212.353,124.164 212.547,124.358 C136.1@213.449,124.358
NetC138_1: C138.1 R194.2 UG22.2 | length 4.6
  Top Layer w0.762: UG22.2@217.772,121.605 217.772,123.998 R194.2@217.297,124.473 217.335,124.511 C138.1@218.834,124.511
NetC148_1: C148.1 D32.1 LED23.2 Q27.2 RL21.1 | length 18
  Top Layer w0.27: 7.053,31.699 7.129,31.623 13.627,31.623 C148.1@14.148,31.102
  Top Layer w0.508: RL21.1@6.858,26.924 7.053,27.119 7.053,31.699 LED23.2@7.053,33.221 7.567,33.221 9.516,35.17 Q27.2@9.516,36.182
NetC149_2: C149.2 Q27.1 R222.2 R223.2 | length 7.5
  Top Layer w0.508: R223.2@9.741,32.664 9.741,33.41 Q27.1@11.548,35.217 14.11,35.217 14.148,35.179 ; C149.2@14.148,34.43 14.148,35.179 ; R222.2@14.148,35.979 14.148,35.179
NetC150_1: C150.1 R224.2 UG23.2 | length 3.9
  Top Layer w0.762: UG23.2@223.208,121.605 223.208,124.516 223.266,124.574 224.155,124.574 C150.1@224.168,124.587
NetC151_1: C151.1 R226.2 UG24.2 | length 4.6
  Top Layer w0.5: UG24.2@239.975,112.174 R226.2@242.639,112.174 ; C151.1@242.926,111.087 242.926,111.887 242.938,111.874
  Top Layer w0.762: R226.2@242.639,112.174 242.926,111.887 ; 242.938,111.874 R226.2@242.938,112.547
NetD3_1: D3.1 R8.1 | length 3.9
  Top Layer w0.762: R8.1@89.299,96.298 D3.1@93.173,96.298
NetD4_1: D4.1 R9.1 | length 4
  Top Layer w0.762: R9.1@89.236,93.504 93.039,93.504 D4.1@93.175,93.368
NetD5_1: D5.1 R22.1 | length 4
  Top Layer w0.635: R22.1@108.857,96.298 D5.1@112.858,96.298
NetD6_1: D6.1 R23.1 | length 4
  Top Layer w0.635: R23.1@108.857,93.377 112.851,93.377 D6.1@112.86,93.368
NetD7_2: D7.2 R41.1 | length 3.1
  Top Layer w0.635: D7.2@131.908,96.298 133.368,94.837 R41.1@134.448,94.837
NetD8_2: D8.2 R38.1 | length 5.5
  Top Layer w0.635: D8.2@131.908,93.25 135.464,93.25 136.226,94.012 R38.1@136.226,94.837
NetD9_2: D9.2 U3.27 | length 19.9
  Top Layer w0.254: D9.2@92.347,67.85 92.347,69.564 94.824,72.041 97.872,72.041 99.142,70.771 99.142,69.926 100.582,68.485 102.942,68.485 104.017,67.41 U3.27@107.134,67.41
NetD10_2: D10.2 R56.1 | length 3.2
  Top Layer w0.635: D10.2@152.101,96.044 153.434,94.71 R56.1@154.768,94.71
NetD11_2: D11.2 R51.1 | length 6.1
  Top Layer w0.635: D11.2@152.103,92.987 156.283,92.987 156.673,93.377 R51.1@156.673,94.71
NetD33_1: D33.1 Q28.2 U12.2 | length 12
  Top Layer w0.635: Q28.2@175.472,65.926 178.054,65.926 178.092,65.888 184.824,65.888 U12.2@186.719,63.993
NetD33_2: D33.2 R220.1 U12.1 | length 12.4
  Top Layer w0.635: R220.1@175.196,69.291 178.118,69.291 178.168,69.24 184.287,69.24 U12.1@186.639,71.593
NetF1_2: F1.2 J12.1 U15.4 | length 18
  Top Layer w0.254: U15.4@61.976,115.824 61.976,114.783 62.459,114.3 64.872,114.3 65.481,114.91 65.481,118.516 64.999,118.999 64.999,121.717 65.481,122.199 F1.2@66.345,122.199 66.345,123.215 J12.1@63.932,125.628
NetJ10_4: J10.4 R140.1 | length 118.3
  Top Layer w0.381: J10.4@24.282,130.505 24.282,129.642 25.095,128.829 25.095,116.967 27.95,114.112 40.097,114.112 67.265,86.944 67.265,60.221 68.907,58.579 89.172,58.579 R140.1@89.553,58.198
NetJ10_5: J10.5 R141.1 | length 117.3
  Top Layer w0.381: J10.5@26.822,130.81 26.822,129.667 26.073,128.918 26.073,117.386 28.509,114.951 40.122,114.951 67.9,87.173 67.9,60.484 69.17,59.214 89.045,59.214 R141.1@89.68,59.849
NetJ12_2: J12.2 R216.1 R218.2 U15.2 | length 10.9
  Top Layer w0.254: J12.2@61.432,125.628 61.316,125.512 R216.1@61.316,122.009 R218.2@63.043,122.009 64.02,122.009 64.402,121.628 64.402,117.97 U15.2@64.16,117.729
NetJ12_3: J12.3 R217.1 R219.2 U15.3 | length 14.6
  Top Layer w0.254: R219.2@58.014,122.009 R217.1@59.614,122.009 59.614,125.446 J12.3@59.432,125.628 ; 60.109,122.139 60.122,122.152 ; U15.3@61.976,117.729 61.976,118.694 62.306,119.024 v4(62.357,119.024)
  Bottom Layer w0.254: J12.3@59.432,125.628 59.432,121.95 v4(62.357,119.024)
NetLED1_1: LED1.1 R16.1 | length 3.1
  Top Layer w0.381: R16.1@142.563,84.385 145.294,84.385 LED1.1@145.548,84.639
NetLED1_2: LED1.2 Q1.2 | length 3.1
  Top Layer w0.381: LED1.2@147.834,84.639 147.842,84.63 Q1.2@147.842,81.528
NetLED2_1: LED2.1 R60.1 | length 3.5
  Top Layer w0.381: LED2.1@17.976,35.78 LED2.1@18.04,35.717 18.04,37.116 18.802,37.878 R60.1@18.802,38.767
NetLED3_1: LED3.1 R61.1 | length 3.4
  Top Layer w0.381: LED3.1@86.366,35.666 86.366,36.557 87.191,37.383 R61.1@87.191,38.716
NetLED4_1: LED4.1 R63.1 | length 3.3
  Top Layer w0.381: LED4.1@75.181,35.641 75.181,36.523 75.761,37.103 R63.1@75.761,38.691
NetLED5_1: LED5.1 R62.1 | length 3.7
  Top Layer w0.381: LED5.1@29.444,35.691 29.444,36.202 30.651,37.408 R62.1@30.651,38.869
NetLED6_1: LED6.1 R93.1 | length 3.6
  Top Layer w0.381: LED6.1@52.431,35.666 52.431,36.43 53.511,37.51 R93.1@53.511,38.843
NetLED7_1: LED7.1 R94.1 | length 3.6
  Top Layer w0.381: LED7.1@98.024,35.691 98.024,36.964 98.85,37.789 R94.1@98.85,38.996
NetLED8_1: LED8.1 R95.1 | length 3.6
  Top Layer w0.381: LED8.1@109.81,35.691 109.81,36.329 110.699,37.218 110.699,38.805 R95.1@110.635,38.869
NetLED9_1: LED9.1 R96.1 | length 3.4
  Top Layer w0.381: LED9.1@41.179,35.666 41.179,36.43 42.132,37.383 R96.1@42.132,38.716
NetLED10_1: LED10.1 R121.1 | length 3.4
  Top Layer w0.381: LED10.1@63.582,35.668 63.582,36.303 64.534,37.256 R121.1@64.534,38.716
NetLED11_1: LED11.1 R122.1 | length 3.5
  Top Layer w0.381: LED11.1@121.214,35.666 121.214,36.684 121.659,37.129 R122.1@121.659,38.97
NetLED12_1: LED12.1 R131.1 | length 3.3
  Top Layer w0.508: LED12.1@132.687,35.659 R131.1@132.687,38.985
NetLED13_1: LED13.1 R132.1 | length 3.3
  Top Layer w0.508: LED13.1@144.218,35.634 R132.1@144.218,38.96
NetLED14_1: LED14.1 R64.1 | length 3.3
  Top Layer w0.508: LED14.1@155.597,35.71 R64.1@155.597,38.985
NetLED15_1: LED15.1 R135.1 | length 3.2
  Top Layer w0.508: LED15.1@166.977,35.761 R135.1@166.977,38.942
NetLED16_1: LED16.1 R143.1 | length 3.2
  Top Layer w0.508: LED16.1@178.356,35.761 R143.1@178.356,38.934
NetLED17_1: LED17.1 R81.1 | length 3.1
  Top Layer w0.508: LED17.1@189.862,35.812 R81.1@189.862,38.934
NetLED18_1: LED18.1 R147.1 | length 3.1
  Top Layer w0.508: LED18.1@201.216,35.812 R147.1@201.216,38.934
NetLED19_1: LED19.1 R155.1 | length 3.1
  Top Layer w0.508: LED19.1@212.57,35.837 R155.1@212.57,38.934
NetLED20_1: LED20.1 R158.1 | length 3.1
  Top Layer w0.508: LED20.1@223.923,35.837 R158.1@223.923,38.934
NetLED21_1: LED21.1 R161.1 | length 3.2
  Top Layer w0.508: LED21.1@235.226,35.786 R161.1@235.226,38.909
  Top Layer w0.762: R161.1@235.172,38.964 R161.1@235.226,38.909
NetLED23_1: LED23.1 R221.1 | length 3.1
  Top Layer w0.508: R221.1@6.871,38.506 6.871,35.689 LED23.1@7.053,35.507
NetQ1_1: Q1.1 R29.2 R33.2 | length 5.1
  Top Layer w0.381: R29.2@140.722,82.417 R33.2@143.008,82.417 143.084,82.493 Q1.1@145.81,82.493
NetQ2_1: Q2.1 R55.1 U11.3 | length 6.7
  Top Layer w0.254: R55.1@73.869,79.089 73.983,79.204 U11.3@78.949,79.204 Q2.1@78.949,80.791
NetQ14_2: Q14.2 UG17.2 | length 3.8
  Top Layer w0.762: UG17.2@176.95,112.41 177.448,111.912 Q14.2@177.448,108.833
NetQ15_1: Q15.1 R183.2 | length 1.6
  Top Layer w0.762: R183.2@174.834,125.819 Q15.1@174.834,127.406
NetQ16_2: Q16.2 UG18.2 | length 4.3
  Top Layer w0.762: Q16.2@170.127,108.655 170.127,108.786 171.559,110.218 UG18.2@171.559,112.405
NetQ17_1: Q17.1 R187.2 | length 1.6
  Top Layer w0.508: R187.2@168.738,125.819 168.763,125.844 Q17.1@168.763,127.406
NetQ28_1: Q28.1 R110.1 | length 1.7
  Top Layer w0.635: R110.1@171.577,66.713 Q28.1@173.262,66.713
NetR1_1: R1.1 R4.2 | length 3
  Top Layer w0.508: R4.2@41.306,61.233 41.497,61.233 43.148,62.884 R1.1@43.592,62.884
NetR1_2: R1.2 R5.1 U1.5 | length 7.1
  Top Layer w0.508: U1.5@39.473,59.284 39.492,59.265 41.306,59.265 43.084,61.043 43.402,61.043 R1.2@43.592,61.233 R5.1@45.751,61.233
NetR2_2: R2.2 U2.1 | length 3
  Top Layer w0.762: R2.2@52.647,68.961 U2.1@52.647,71.991
NetR3_1: R3.1 R6.2 U2.5 | length 4.6
  Top Layer w0.762: R3.1@59.471,68.976 U2.5@59.471,72.008 ; R3.1@59.48,68.968 R6.2@61.01,68.968
NetR10_1: R10.1 U4.10 | length 4.3
  Top Layer w0.635: R10.1@102.253,118.65 102.253,118.078 104.857,115.475 U4.10@104.857,115.399
NetR10_2: R10.2 TVS1.1 | length 3.4
  Top Layer w0.635: R10.2@103.904,118.65 105.488,118.65 TVS1.1@106.755,119.918
NetR11_1: R11.1 U4.9 | length 4
  Top Layer w0.635: R11.1@100.602,118.65 100.602,117.113 U4.9@102.317,115.399
NetR12_2: R12.2 U4.3 | length 3.8
  Top Layer w0.635: U4.3@99.777,100.159 99.777,99.219 101.047,97.949 R12.2@101.047,96.869
NetR13_2: R13.2 U4.4 | length 4
  Top Layer w0.635: U4.4@97.237,100.159 97.237,98.52 R13.2@98.888,96.869
NetR14_1: R14.1 U4.8 | length 4.3
  Top Layer w0.635: R14.1@97.3,118.65 97.3,117.875 U4.8@99.777,115.399
NetR24_1: R24.1 U6.10 | length 4.7
  Top Layer w0.635: R24.1@120.033,118.777 120.033,118.493 U6.10@123.128,115.399
NetR24_2: R24.2 TVS3.1 | length 5.6
  Top Layer w0.635: R24.2@118.382,118.777 118.382,119.221 119.462,120.301 122.501,120.301 TVS3.1@122.884,119.918
NetR28_1: R28.1 U6.9 | length 5.8
  Top Layer w0.635: R28.1@116.731,118.777 116.731,117.824 117.557,116.999 118.7,116.999 120.3,115.399 U6.9@120.588,115.399
NetR32_2: R32.2 U6.3 | length 3.9
  Top Layer w0.635: U6.3@118.048,100.159 119.843,98.364 R32.2@119.843,96.996
NetR34_2: R34.2 U6.4 | length 4.2
  Top Layer w0.635: U6.4@115.508,100.159 115.508,99.871 117.938,97.441 R34.2@117.938,96.996
NetR35_1: R35.1 U6.8 | length 6.5
  Top Layer w0.635: R35.1@113.429,118.777 113.429,117.951 115.982,115.399 U6.8@118.048,115.399
NetR37_1: R37.1 U7.8 | length 14.1
  Top Layer w0.381: U7.8@82.124,108.236 v10(83.14,108.236) ; R37.1@83.584,119.412 v10(84.791,119.412)
  Bottom Layer w0.381: v10(83.14,108.236) 84.791,109.887 v10(84.791,119.412)
NetR40_2: R40.2 U7.12 | length 15
  Top Layer w0.381: U7.12@78.314,113.824 78.314,116.11 79.584,117.38 85.68,117.38 86.95,116.11 R40.2@86.95,113.125
NetR42_2: R42.2 U7.9 | length 8.8
  Top Layer w0.381: U7.9@82.124,113.824 82.124,111.919 84.537,109.506 86.632,109.506 86.95,109.188 R42.2@86.95,108.299
NetR43_2: R43.2 U7.11 | length 10.3
  Top Layer w0.381: U7.11@79.584,113.824 79.584,115.856 80.219,116.491 83.902,116.491 84.664,115.729 R43.2@84.664,113.125
NetR44_2: R44.2 U7.10 | length 7.4
  Top Layer w0.381: U7.10@80.854,113.824 80.854,112.046 84.537,108.363 84.918,108.363 R44.2@84.918,108.299
NetR45_1: R45.1 U7.7 | length 18.8
  Top Layer w0.381: U7.7@80.854,108.236 80.854,106.966 81.616,106.204 v10(83.267,106.204) ; v10(86.95,117.761) 87.14,117.951 R45.1@87.14,119.412
  Bottom Layer w0.381: v10(83.267,106.204) 83.267,106.585 86.95,110.268 v10(86.95,117.761)
NetR47_2: R47.2 U10.7 | length 3.1
  Top Layer w0.254: U10.7@146.741,72.727 149.599,72.727 R47.2@149.789,72.917
NetR54_2: R54.2 U10.3 | length 3.1
  Top Layer w0.254: R54.2@138.613,71.393 141.598,71.393 U10.3@141.661,71.457
NetR57_1: R57.1 R58.2 U11.1 | length 5.2
  Top Layer w0.508: U11.1@78.949,77.299 79.381,77.299 80.917,78.835 R58.2@81.616,78.835 R57.1@81.616,80.74
NetR138_1: R138.1 U7.13 | length 9
  Top Layer w0.381: R138.1@74.377,121.761 74.377,120.555 77.044,117.888 U7.13@77.044,113.824
NetR139_1: R139.1 U7.14 | length 9.3
  Top Layer w0.381: R139.1@72.599,121.761 72.599,120.428 75.774,117.253 U7.14@75.774,113.824
NetR179_1: R179.1 R183.1 UG17.4 | length 4.7
  Top Layer w0.762: UG17.4@174.41,121.554 174.834,121.979 R183.1@174.834,124.168 R179.1@176.739,124.168
NetR186_1: R186.1 R187.1 UG18.4 | length 4.6
  Top Layer w0.254: UG18.4@168.738,121.83 UG18.4@169.019,121.549
  Top Layer w0.5: UG18.4@168.738,121.83 R187.1@168.738,124.168
  Top Layer w0.8: R187.1@168.738,124.168 R186.1@170.643,124.168
NetR196_1: R196.1 R197.2 R198.2 U37.1 U37.3 | length 8
  Top Layer w0.3: R197.2@13.328,98.168 R198.2@15.405,98.168 U37.1@19.43,98.168 ; U37.3@19.44,96.253 U37.1@19.44,98.158
NetR199_2: R199.2 U43.1 U43.2 | length 11.7
  Top Layer w0.3: U43.2@27.858,94.621 U43.1@27.858,95.891 27.928,95.961 28.931,95.961 30.505,97.536 37.63,97.536 R199.2@37.643,97.523
NetR201_1: R201.1 R202.2 R203.2 U38.1 U38.3 | length 8
  Top Layer w0.3: R202.2@13.328,90.689 R203.2@15.405,90.689 19.43,90.689 U38.3@19.44,90.699 U38.1@19.44,92.604
NetR204_2: R204.2 U43.6 U43.7 | length 6.2
  Top Layer w0.3: U43.7@32.938,94.621 U43.6@32.938,93.351 35.732,93.351 36.182,92.9 R204.2@37.643,92.9
NetR206_1: R206.1 R207.2 R208.2 U40.1 U40.3 | length 8
  Top Layer w0.3: R207.2@13.328,87.06 R208.2@15.405,87.06 R206.1@17.481,87.06 19.43,87.06 U40.1@19.44,87.05 U40.3@19.44,85.145